# KiCad board mackerel-10-v1.kicad_pcb
title: Mackerel-10 v1; date: 2024-11-09; rev: 1.2; company: Colin Maykish
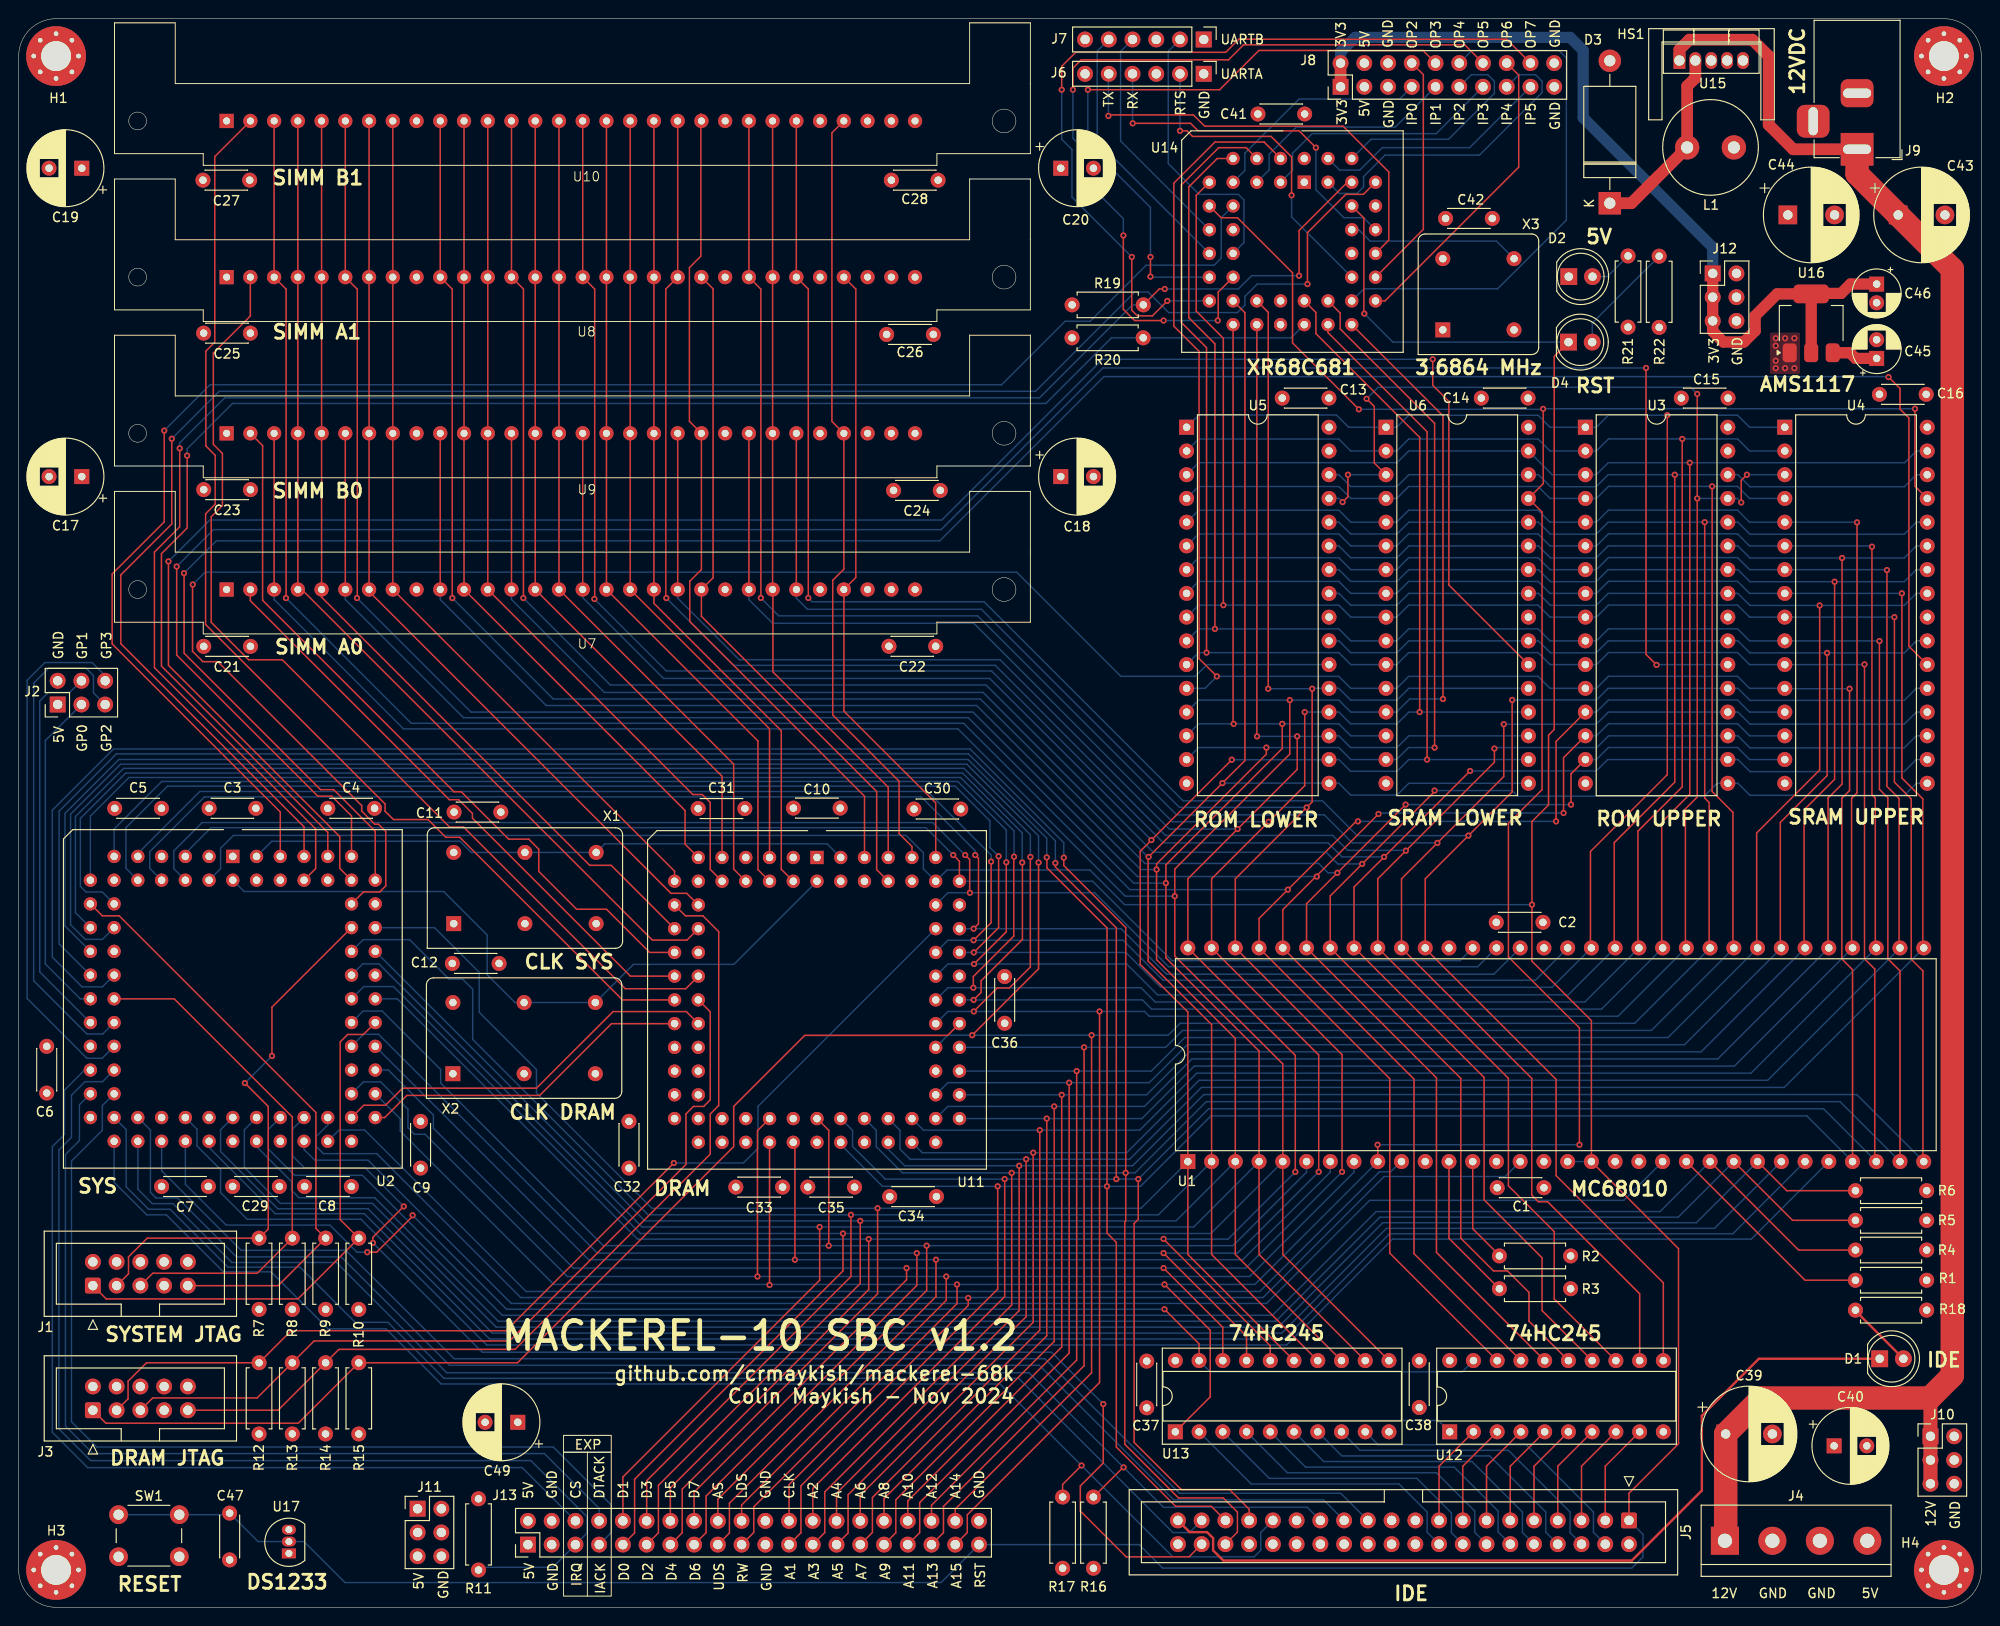
[diagram p0: board, top side]
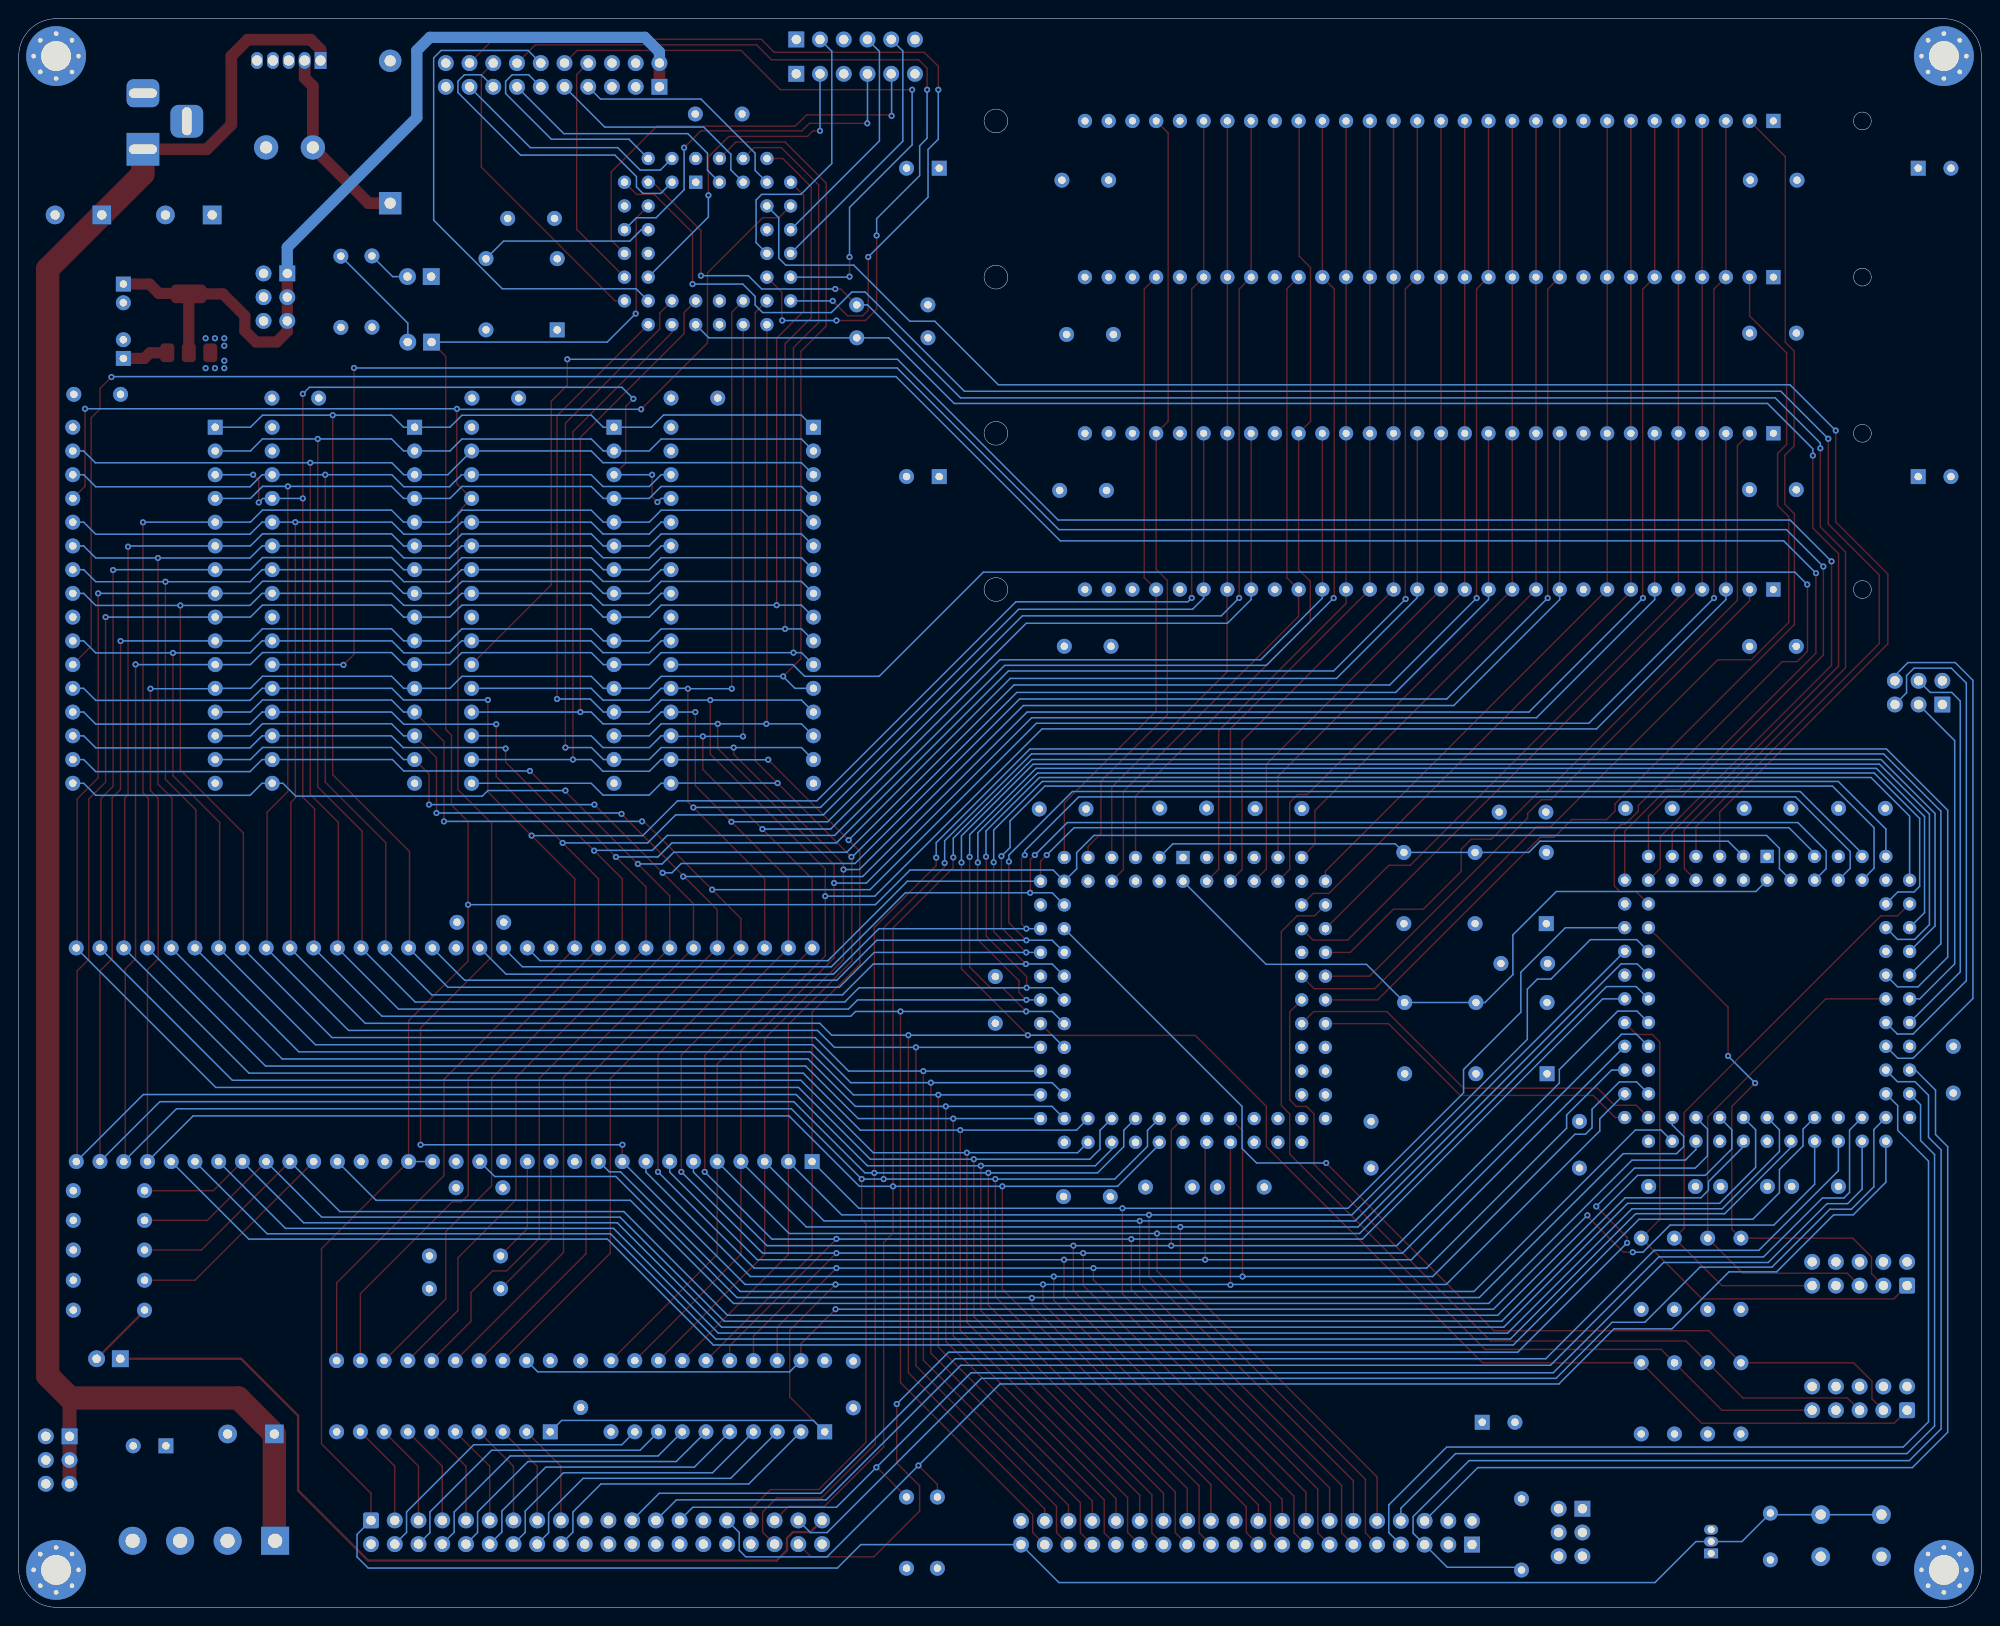
[diagram p1: board, bottom side, seen from below]

Outline 210 x 170 mm; copper layers: Top, In1.Cu, In2.Cu, Bottom. Coordinates in mm from the lower left corner of the outline.
Outline path: 0,166 arc(1.17,168.83) 4,170 206,170 arc(208.83,168.83) 210,166 210,4 arc(208.83,1.17) 206,0 4,0 arc(1.17,1.17) 0,4 0,166
Stack: Top 0.035mm / dielectric 0.1mm FR4 er 4.5 / In1.Cu 0.035mm / dielectric 1.24mm FR4 er 4.5 / In2.Cu 0.035mm / dielectric 0.1mm FR4 er 4.5 / Bottom 0.035mm

## Placement (name value [footprint] x y rotation side)
C1  0.1uF  [C_Disc_D4.3mm_W1.9mm_P5.00mm]  158.2 44.9 0 top
C2  0.1uF  [C_Disc_D4.3mm_W1.9mm_P5.00mm]  163.1 73.3 180 top
C3  0.1uF  [C_Disc_D4.3mm_W1.9mm_P5.00mm]  20.38 85.5 0 top
C4  0.1uF  [C_Disc_D4.3mm_W1.9mm_P5.00mm]  33.08 85.5 0 top
C5  0.1uF  [C_Disc_D4.3mm_W1.9mm_P5.00mm]  10.27 85.5 0 top
C6  0.1uF  [C_Disc_D4.3mm_W1.9mm_P5.00mm]  3 60.03 270 top
C7  0.1uF  [C_Disc_D4.3mm_W1.9mm_P5.00mm]  20.29 45.03 180 top
C8  0.1uF  [C_Disc_D4.3mm_W1.9mm_P5.00mm]  30.59 45.03 0 top
C9  0.1uF  [C_Disc_D4.3mm_W1.9mm_P5.00mm]  43 52 270 top
C10  0.1uF  [C_Disc_D4.3mm_W1.9mm_P5.00mm]  87.9 85.53 180 top
C11  0.1uF  [C_Disc_D4.3mm_W1.9mm_P5.00mm]  51.59 85.1 180 top
C12  0.1uF  [C_Disc_D4.3mm_W1.9mm_P5.00mm]  51.4 68.9 180 top
C13  0.1uF  [C_Disc_D4.3mm_W1.9mm_P5.00mm]  140.2 129.4 180 top
C14  0.1uF  [C_Disc_D4.3mm_W1.9mm_P5.00mm]  161.5 129.4 180 top
C15  0.1uF  [C_Disc_D4.3mm_W1.9mm_P5.00mm]  182.9 129.4 180 top
C16  0.1uF  [C_Disc_D4.3mm_W1.9mm_P5.00mm]  204.1 129.8 180 top
C17  470uF  [CP_Radial_D8.0mm_P3.50mm]  6.75 121 180 top
C18  470uF  [CP_Radial_D8.0mm_P3.50mm]  111.5 121 0 top
C19  470uF  [CP_Radial_D8.0mm_P3.50mm]  6.75 154 180 top
C20  470uF  [CP_Radial_D8.0mm_P3.50mm]  111.5 154 0 top
C21  0.1uF  [C_Disc_D4.3mm_W1.9mm_P5.00mm]  24.8 102.83 180 top
C22  0.1uF  [C_Disc_D4.3mm_W1.9mm_P5.00mm]  98.12 102.84 180 top
C23  0.1uF  [C_Disc_D4.3mm_W1.9mm_P5.00mm]  24.8 119.6 180 top
C24  0.1uF  [C_Disc_D4.3mm_W1.9mm_P5.00mm]  98.61 119.52 180 top
C25  0.1uF  [C_Disc_D4.3mm_W1.9mm_P5.00mm]  24.79 136.35 180 top
C26  0.1uF  [C_Disc_D4.3mm_W1.9mm_P5.00mm]  92.87 136.21 0 top
C27  0.1uF  [C_Disc_D4.3mm_W1.9mm_P5.00mm]  24.72 152.72 180 top
C28  0.1uF  [C_Disc_D4.3mm_W1.9mm_P5.00mm]  93.38 152.72 0 top
C29  0.1uF  [C_Disc_D4.3mm_W1.9mm_P5.00mm]  22.89 45.03 0 top
C30  0.1uF  [C_Disc_D4.3mm_W1.9mm_P5.00mm]  95.8 85.42 0 top
C31  0.1uF  [C_Disc_D4.3mm_W1.9mm_P5.00mm]  72.7 85.47 0 top
C32  0.1uF  [C_Disc_D4.3mm_W1.9mm_P5.00mm]  65.3 52 270 top
C33  0.1uF  [C_Disc_D4.3mm_W1.9mm_P5.00mm]  81.73 44.97 180 top
C34  0.1uF  [C_Disc_D4.3mm_W1.9mm_P5.00mm]  93.2 43.95 0 top
C35  0.1uF  [C_Disc_D4.3mm_W1.9mm_P5.00mm]  89.43 44.97 180 top
C36  0.1uF  [C_Disc_D4.3mm_W1.9mm_P5.00mm]  105.5 62.5 90 top
C37  0.1uF  [C_Disc_D4.3mm_W1.9mm_P5.00mm]  120.7 26.34 270 top
C38  0.1uF  [C_Disc_D4.3mm_W1.9mm_P5.00mm]  149.86 26.38 270 top
C39  1000uF  [CP_Radial_D10.0mm_P5.00mm]  182.65 18.55 0 top
C40  470uF  [CP_Radial_D8.0mm_P3.50mm]  194.25 17.28 0 top
C41  0.1uF  [C_Disc_D4.3mm_W1.9mm_P5.00mm]  137.6 159.8 180 top
C42  0.1uF  [C_Disc_D4.3mm_W1.9mm_P5.00mm]  152.68 148.62 0 top
C43  1000uF  [CP_Radial_D10.0mm_P5.00mm]  201.11 149 0 top
C44  1000uF  [CP_Radial_D10.0mm_P5.00mm]  189.3 149 0 top
C45  10uF  [CP_Radial_D5.0mm_P2.00mm]  198.8 133.64 90 top
C46  10uF  [CP_Radial_D5.0mm_P2.00mm]  198.8 141.6 270 top
C47  0.01uF  [C_Disc_D4.3mm_W1.9mm_P5.00mm]  22.57 10.08 270 top
C49  470uF  [CP_Radial_D8.0mm_P3.50mm]  53.4 19.8 180 top
D1  LED  [LED_D5.0mm]  199.12 26.6 0 top
D2  LED  [LED_D5.0mm]  165.86 142.4 0 top
D3  1N5822  [D_DO-27_P15.24mm_Horizontal]  170.25 150.25 90 top
D4  LED  [LED_D5.0mm]  165.83 135.39 0 top
H1  MountingHole_Pad  [MountingHole_3.2mm_M3_Pad_Via]  4 166 0 top
H2  MountingHole_Pad  [MountingHole_3.2mm_M3_Pad_Via]  206 166 0 top
H3  MountingHole_Pad  [MountingHole_3.2mm_M3_Pad_Via]  4 4 0 top
H4  MountingHole_Pad  [MountingHole_3.2mm_M3_Pad_Via]  206 4 0 top
HS1  Heatsink  [Heatsink_Stonecold_HS-S02_13.21x9.53mm]  181.12 168.82 0 top
J1  Conn_02x05_Odd_Even  [IDC-Header_2x05_P2.54mm_Vertical]  7.94 34.43 90 top
J2  Conn_02x03_Odd_Even  [PinHeader_2x03_P2.54mm_Vertical]  4.17 96.61 90 top
J3  Conn_02x05_Odd_Even  [IDC-Header_2x05_P2.54mm_Vertical]  7.94 21.09 90 top
J4  Screw_Terminal_01x04  [TerminalBlock_bornier-4_P5.08mm]  182.56 7.12 0 top
J5  Conn_02x20_Odd_Even  [IDC-Header_2x20_P2.54mm_Vertical]  172.3 9.3 270 top
J6  Conn_01x06  [PinHeader_1x06_P2.54mm_Vertical]  126.8 164.1 270 top
J7  Conn_01x06  [PinHeader_1x06_P2.54mm_Vertical]  126.8 167.78 270 top
J8  Conn_02x10_Odd_Even  [PinHeader_2x10_P2.54mm_Vertical]  141.44 162.71 90 top
J9  Barrel_Jack_MountingPin  [BarrelJack_Horizontal]  196.71 156.03 270 top
J10  Conn_02x03_Odd_Even  [PinHeader_2x03_P2.54mm_Vertical]  204.56 18.3 0 top
J11  Conn_02x03_Odd_Even  [PinHeader_2x03_P2.54mm_Vertical]  42.69 10.55 0 top
J12  Conn_02x03_Odd_Even  [PinHeader_2x03_P2.54mm_Vertical]  181.26 142.74 0 top
J13  Conn_02x20_Odd_Even  [PinHeader_2x20_P2.54mm_Vertical]  54.49 6.71 90 top
L1  100uH  [L_Radial_D10.0mm_P5.00mm_Fastron_07M]  178.53 156.22 0 top
R1  4k7  [R_Axial_DIN0207_L6.3mm_D2.5mm_P7.62mm_Horizontal]  204.16 35 180 top
R2  4k7  [R_Axial_DIN0207_L6.3mm_D2.5mm_P7.62mm_Horizontal]  166.06 37.6 180 top
R3  4k7  [R_Axial_DIN0207_L6.3mm_D2.5mm_P7.62mm_Horizontal]  166.06 34.09 180 top
R4  4k7  [R_Axial_DIN0207_L6.3mm_D2.5mm_P7.62mm_Horizontal]  204.16 38.24 180 top
R5  4k7  [R_Axial_DIN0207_L6.3mm_D2.5mm_P7.62mm_Horizontal]  204.16 41.41 180 top
R6  4k7  [R_Axial_DIN0207_L6.3mm_D2.5mm_P7.62mm_Horizontal]  204.16 44.59 180 top
R7  4k7  [R_Axial_DIN0207_L6.3mm_D2.5mm_P7.62mm_Horizontal]  25.72 31.88 90 top
R8  4k7  [R_Axial_DIN0207_L6.3mm_D2.5mm_P7.62mm_Horizontal]  29.28 31.88 90 top
R9  4k7  [R_Axial_DIN0207_L6.3mm_D2.5mm_P7.62mm_Horizontal]  32.85 31.88 90 top
R10  4k7  [R_Axial_DIN0207_L6.3mm_D2.5mm_P7.62mm_Horizontal]  36.39 39.5 270 top
R11  4k7  [R_Axial_DIN0207_L6.3mm_D2.5mm_P7.62mm_Horizontal]  49.2 3.99 90 top
R12  4k7  [R_Axial_DIN0207_L6.3mm_D2.5mm_P7.62mm_Horizontal]  25.72 18.55 90 top
R13  4k7  [R_Axial_DIN0207_L6.3mm_D2.5mm_P7.62mm_Horizontal]  29.28 18.55 90 top
R14  4k7  [R_Axial_DIN0207_L6.3mm_D2.5mm_P7.62mm_Horizontal]  32.83 18.55 90 top
R15  4k7  [R_Axial_DIN0207_L6.3mm_D2.5mm_P7.62mm_Horizontal]  36.39 26.17 270 top
R16  4k7  [R_Axial_DIN0207_L6.3mm_D2.5mm_P7.62mm_Horizontal]  115 4.18 90 top
R17  4k7  [R_Axial_DIN0207_L6.3mm_D2.5mm_P7.62mm_Horizontal]  111.7 4.18 90 top
R18  1k  [R_Axial_DIN0207_L6.3mm_D2.5mm_P7.62mm_Horizontal]  204.16 31.8 180 top
R19  4k7  [R_Axial_DIN0207_L6.3mm_D2.5mm_P7.62mm_Horizontal]  120.34 139.38 180 top
R20  4k7  [R_Axial_DIN0207_L6.3mm_D2.5mm_P7.62mm_Horizontal]  120.32 135.85 180 top
R21  1k  [R_Axial_DIN0207_L6.3mm_D2.5mm_P7.62mm_Horizontal]  172.2 136.99 90 top
R22  1k  [R_Axial_DIN0207_L6.3mm_D2.5mm_P7.62mm_Horizontal]  175.53 136.96 90 top
SW1  SW_Push  [SW_PUSH_6mm_H5mm]  10.69 9.91 0 top
U1  68010D  [DIP-64_W22.86mm]  125.1 47.7 90 top
U2  ~  [PLCC-84_THT-Socket]  22.91 80.35 0 top
U3  SST39SF040  [DIP-32_W15.24mm]  167.64 126.28 0 top
U4  AS6C4008-55PCN  [DIP-32_W15.24mm]  188.97 126.28 0 top
U5  SST39SF040  [DIP-32_W15.24mm]  124.97 126.28 0 top
U6  AS6C4008-55PCN  [DIP-32_W15.24mm]  146.3 126.28 0 top
U7  ~  [SIMM-30]  22.25 108.92 180 top
U8  ~  [SIMM-30]  22.25 142.34 180 top
U9  ~  [SIMM-30]  22.25 125.63 180 top
U10  ~  [SIMM-30]  22.25 159.06 180 top
U11  ~  [PLCC-84_THT-Socket]  85.42 80.24 0 top
U12  74HC245  [DIP-20_W7.62mm_Socket]  153.12 18.78 90 top
U13  74HC245  [DIP-20_W7.62mm_Socket]  123.76 18.78 90 top
U14  XR68C681  [PLCC-44_THT-Socket]  137.56 152.5 0 top
U15  LM2576T-5  [TO-220-5_Vertical]  177.7 165.53 0 top
U16  AMS1117-3.3  [SOT-223-3_TabPin2]  191.8 137.4 90 top
U17  DS1233  [TO-92L_Inline]  28.91 5.77 90 top
X1  50MHz  [Oscillator_DIP-14]  46.55 73.16 0 top
X2  50MHz  [Oscillator_DIP-14]  46.46 57.1 0 top
X3  3.6864MHz  [Oscillator_DIP-8]  152.38 136.7 0 top

## Library data of the parts
C1-C16 C21-C38 C41 C42 C47 = -: Description: Unpolarized capacitor; ki_fp_filters: C_*
C17-C20 C40 C45 C46 C49 = -: Description: Polarized capacitor, US symbol; ki_fp_filters: CP_*
C39 C43 C44 = -: Description: Polarized capacitor; ki_fp_filters: CP_*
D1 D2 D4 = -: Description: Light emitting diode; ki_fp_filters: LED* LED_SMD:* LED_THT:*
D3 = -: Description: Schottky diode; ki_fp_filters: TO-???* *_Diode_* *SingleDiode* D_*
H1-H4 = -: Description: Mounting Hole with connection; ki_fp_filters: MountingHole*Pad*
HS1 = -: ki_fp_filters: Heatsink_*
J1 J3 = -: Description: Generic connector, double row, 02x05, odd/even pin numbering scheme (row 1 odd numbers, row 2 even numbers), script generated (kicad-library-utils/schlib/autogen/connector/); ki_fp_filters: Connector*:*_2x??_*
J2 J10-J12 = -: Description: Generic connector, double row, 02x03, odd/even pin numbering scheme (row 1 odd numbers, row 2 even numbers), script generated (kicad-library-utils/schlib/autogen/connector/); ki_fp_filters: Connector*:*_2x??_*
J4 = -: Description: Generic screw terminal, single row, 01x04, script generated (kicad-library-utils/schlib/autogen/connector/); ki_fp_filters: TerminalBlock*:*
J5 J13 = -: Description: Generic connector, double row, 02x20, odd/even pin numbering scheme (row 1 odd numbers, row 2 even numbers), script generated (kicad-library-utils/schlib/autogen/connector/); ki_fp_filters: Connector*:*_2x??_*
J6 J7 = -: Description: Generic connector, single row, 01x06, script generated (kicad-library-utils/schlib/autogen/connector/); ki_fp_filters: Connector*:*_1x??_*
J8 = -: Description: Generic connector, double row, 02x10, odd/even pin numbering scheme (row 1 odd numbers, row 2 even numbers), script generated (kicad-library-utils/schlib/autogen/connector/); ki_fp_filters: Connector*:*_2x??_*
J9 = -: Description: DC Barrel Jack with a mounting pin; ki_fp_filters: BarrelJack*
L1 = -: Description: Inductor; ki_fp_filters: Choke_* *Coil* Inductor_* L_*
R1-R22 = -: Description: Resistor; ki_fp_filters: R_*
SW1 = -: Description: Push button switch, generic, two pins
U1 = -: Datasheet: https://www.nxp.com/docs/en/reference-manual/MC68000UM.pdf; Description: 16/32-bit Microprocessor
U3 U5 = -: Datasheet: http://ww1.microchip.com/downloads/en/DeviceDoc/25022B.pdf; Description: Silicon Storage Technology (SSF) 512k x 8 Flash ROM
U4 U6 = -: Datasheet: https://www.alliancememory.com/wp-content/uploads/pdf/AS6C4008.pdf; Description: 512K x 8 Low Power CMOS RAM, DIP-32; ki_fp_filters: DIP*W15.24mm*
U12 U13 = -: Datasheet: http://www.ti.com/lit/gpn/sn74HC245; Description: Octal BUS Transceivers, 3-State outputs; ki_fp_filters: DIP?20*
U15 = -: Datasheet: http://www.ti.com/lit/ds/symlink/lm2576.pdf; Description: 5V, 3A SIMPLE SWITCHER® Step-Down Voltage Regulator, TO-220-5; ki_fp_filters: TO?220*
U16 = -: Datasheet: http://www.advanced-monolithic.com/pdf/ds1117.pdf; Description: 1A Low Dropout regulator, positive, 3.3V fixed output, SOT-223; ki_fp_filters: SOT?223*TabPin2*
X1 X2 = -: Datasheet: http://cdn-reichelt.de/documents/datenblatt/B400/OSZI.pdf; Description: Crystal Clock Oscillator, DIP14-style metal package; ki_fp_filters: Oscillator*DIP*14*
X3 = -: Datasheet: http://cdn-reichelt.de/documents/datenblatt/B400/OSZI.pdf; Description: Crystal Clock Oscillator, DIP8-style metal package; ki_fp_filters: Oscillator*DIP*8*

## Footprints (pads in the part's own frame, mm; a bottom-side part is the same pattern mirrored in y, then rotated)
BarrelJack_Horizontal
  rect 3.5x3.5 hole 1x3: 1(0,0)
  rrect 3x3.5 hole 1x3: 2(-6,0)
  rrect 3.5x3.5 hole 3x1: 3(-3,-4.7)
C_Disc_D4.3mm_W1.9mm_P5.00mm
  round 1.6 hole 0.8: 1(0,0) 2(5,0)
CP_Radial_D5.0mm_P2.00mm
  rect 1.6x1.6 hole 0.8: 1(0,0)
  round 1.6 hole 0.8: 2(2,0)
CP_Radial_D8.0mm_P3.50mm
  rect 1.6x1.6 hole 0.8: 1(0,0)
  round 1.6 hole 0.8: 2(3.5,0)
CP_Radial_D10.0mm_P5.00mm
  rect 2x2 hole 1: 1(0,0)
  round 2 hole 1: 2(5,0)
D_DO-27_P15.24mm_Horizontal
  rect 2.4x2.4 hole 1.2: 1(0,0)
  oval 2.4x2.4 hole 1.2: 2(15.24,0)
DIP-20_W7.62mm_Socket
  rect 1.6x1.6 hole 0.8: 1(0,0)
  oval 1.6x1.6 hole 0.8: 2(0,-2.54) 3(0,-5.08) 4(0,-7.62) 5(0,-10.16) 6(0,-12.7) 7(0,-15.24) 8(0,-17.78) 9(0,-20.32) 10(0,-22.86) 11(7.62,-22.86) 12(7.62,-20.32) 13(7.62,-17.78) 14(7.62,-15.24) 15(7.62,-12.7) 16(7.62,-10.16) 17(7.62,-7.62) 18(7.62,-5.08) 19(7.62,-2.54) 20(7.62,0)
DIP-32_W15.24mm
  rect 1.6x1.6 hole 0.8: 1(0,0)
  oval 1.6x1.6 hole 0.8: 2(0,-2.54) 3(0,-5.08) 4(0,-7.62) 5(0,-10.16) 6(0,-12.7) 7(0,-15.24) 8(0,-17.78) 9(0,-20.32) 10(0,-22.86) 11(0,-25.4) 12(0,-27.94) 13(0,-30.48) 14(0,-33.02) 15(0,-35.56) 16(0,-38.1) 17(15.24,-38.1) 18(15.24,-35.56) 19(15.24,-33.02) 20(15.24,-30.48) 21(15.24,-27.94) 22(15.24,-25.4) 23(15.24,-22.86) 24(15.24,-20.32) 25(15.24,-17.78) 26(15.24,-15.24) 27(15.24,-12.7) 28(15.24,-10.16) 29(15.24,-7.62) 30(15.24,-5.08) 31(15.24,-2.54) 32(15.24,0)
DIP-64_W22.86mm
  rect 1.6x1.6 hole 0.8: 1(0,0)
  oval 1.6x1.6 hole 0.8: 2(0,-2.54) 3(0,-5.08) 4(0,-7.62) 5(0,-10.16) 6(0,-12.7) 7(0,-15.24) 8(0,-17.78) 9(0,-20.32) 10(0,-22.86) 11(0,-25.4) 12(0,-27.94) 13(0,-30.48) 14(0,-33.02) 15(0,-35.56) 16(0,-38.1) 17(0,-40.64) 18(0,-43.18) 19(0,-45.72) 20(0,-48.26) 21(0,-50.8) 22(0,-53.34) 23(0,-55.88) 24(0,-58.42) 25(0,-60.96) 26(0,-63.5) 27(0,-66.04) 28(0,-68.58) 29(0,-71.12) 30(0,-73.66) 31(0,-76.2) 32(0,-78.74) 33(22.86,-78.74) 34(22.86,-76.2) 35(22.86,-73.66) 36(22.86,-71.12) 37(22.86,-68.58) 38(22.86,-66.04) 39(22.86,-63.5) 40(22.86,-60.96) 41(22.86,-58.42) 42(22.86,-55.88) 43(22.86,-53.34) 44(22.86,-50.8) 45(22.86,-48.26) 46(22.86,-45.72) 47(22.86,-43.18) 48(22.86,-40.64) 49(22.86,-38.1) 50(22.86,-35.56) 51(22.86,-33.02) 52(22.86,-30.48) 53(22.86,-27.94) 54(22.86,-25.4) 55(22.86,-22.86) 56(22.86,-20.32) 57(22.86,-17.78) 58(22.86,-15.24) 59(22.86,-12.7) 60(22.86,-10.16) 61(22.86,-7.62) 62(22.86,-5.08) 63(22.86,-2.54) 64(22.86,0)
IDC-Header_2x05_P2.54mm_Vertical
  rrect 1.7x1.7 hole 1: 1(0,0)
  round 1.7 hole 1: 2(2.54,0) 3(0,-2.54) 4(2.54,-2.54) 5(0,-5.08) 6(2.54,-5.08) 7(0,-7.62) 8(2.54,-7.62) 9(0,-10.16) 10(2.54,-10.16)
IDC-Header_2x20_P2.54mm_Vertical
  rrect 1.7x1.7 hole 1: 1(0,0)
  round 1.7 hole 1: 2(2.54,0) 3(0,-2.54) 4(2.54,-2.54) 5(0,-5.08) 6(2.54,-5.08) 7(0,-7.62) 8(2.54,-7.62) 9(0,-10.16) 10(2.54,-10.16) 11(0,-12.7) 12(2.54,-12.7) 13(0,-15.24) 14(2.54,-15.24) 15(0,-17.78) 16(2.54,-17.78) 17(0,-20.32) 18(2.54,-20.32) 19(0,-22.86) 20(2.54,-22.86) 21(0,-25.4) 22(2.54,-25.4) 23(0,-27.94) 24(2.54,-27.94) 25(0,-30.48) 26(2.54,-30.48) 27(0,-33.02) 28(2.54,-33.02) 29(0,-35.56) 30(2.54,-35.56) 31(0,-38.1) 32(2.54,-38.1) 33(0,-40.64) 34(2.54,-40.64) 35(0,-43.18) 36(2.54,-43.18) 37(0,-45.72) 38(2.54,-45.72) 39(0,-48.26) 40(2.54,-48.26)
L_Radial_D10.0mm_P5.00mm_Fastron_07M
  round 2.6 hole 1.3: 1(0,0) 2(5,0)
LED_D5.0mm
  rect 1.8x1.8 hole 0.9: 1(0,0)
  round 1.8 hole 0.9: 2(2.54,0)
MountingHole_3.2mm_M3_Pad_Via
  round 0.8 hole 0.5: 1(-2.4,0) 1(-1.697,1.697) 1(-1.697,-1.697) 1(0,2.4) 1(0,-2.4) 1(1.697,1.697) 1(1.697,-1.697) 1(2.4,0)
  round 6.4 hole 3.2: 1(0,0)
Oscillator_DIP-8
  rect 1.6x1.6 hole 0.8: 1(0,0)
  round 1.6 hole 0.8: 4(7.62,0) 5(7.62,7.62) 8(0,7.62)
Oscillator_DIP-14
  rect 1.6x1.6 hole 0.8: 1(0,0)
  round 1.6 hole 0.8: 7(7.62,0) 7(15.24,0) 8(7.62,7.62) 8(15.24,7.62) 14(0,7.62)
PinHeader_1x06_P2.54mm_Vertical
  rect 1.7x1.7 hole 1: 1(0,0)
  oval 1.7x1.7 hole 1: 2(0,-2.54) 3(0,-5.08) 4(0,-7.62) 5(0,-10.16) 6(0,-12.7)
PinHeader_2x03_P2.54mm_Vertical
  rect 1.7x1.7 hole 1: 1(0,0)
  oval 1.7x1.7 hole 1: 2(2.54,0) 3(0,-2.54) 4(2.54,-2.54) 5(0,-5.08) 6(2.54,-5.08)
PinHeader_2x10_P2.54mm_Vertical
  rect 1.7x1.7 hole 1: 1(0,0)
  oval 1.7x1.7 hole 1: 2(2.54,0) 3(0,-2.54) 4(2.54,-2.54) 5(0,-5.08) 6(2.54,-5.08) 7(0,-7.62) 8(2.54,-7.62) 9(0,-10.16) 10(2.54,-10.16) 11(0,-12.7) 12(2.54,-12.7) 13(0,-15.24) 14(2.54,-15.24) 15(0,-17.78) 16(2.54,-17.78) 17(0,-20.32) 18(2.54,-20.32) 19(0,-22.86) 20(2.54,-22.86)
PinHeader_2x20_P2.54mm_Vertical
  rect 1.7x1.7 hole 1: 1(0,0)
  oval 1.7x1.7 hole 1: 2(2.54,0) 3(0,-2.54) 4(2.54,-2.54) 5(0,-5.08) 6(2.54,-5.08) 7(0,-7.62) 8(2.54,-7.62) 9(0,-10.16) 10(2.54,-10.16) 11(0,-12.7) 12(2.54,-12.7) 13(0,-15.24) 14(2.54,-15.24) 15(0,-17.78) 16(2.54,-17.78) 17(0,-20.32) 18(2.54,-20.32) 19(0,-22.86) 20(2.54,-22.86) 21(0,-25.4) 22(2.54,-25.4) 23(0,-27.94) 24(2.54,-27.94) 25(0,-30.48) 26(2.54,-30.48) 27(0,-33.02) 28(2.54,-33.02) 29(0,-35.56) 30(2.54,-35.56) 31(0,-38.1) 32(2.54,-38.1) 33(0,-40.64) 34(2.54,-40.64) 35(0,-43.18) 36(2.54,-43.18) 37(0,-45.72) 38(2.54,-45.72) 39(0,-48.26) 40(2.54,-48.26)
PLCC-44_THT-Socket
  rect 1.422x1.422 hole 0.8: 1(0,0)
  round 1.422 hole 0.8: 2(-2.54,2.54) 3(-2.54,0) 4(-5.08,2.54) 5(-5.08,0) 6(-7.62,2.54) 7(-10.16,0) 8(-7.62,0) 9(-10.16,-2.54) 10(-7.62,-2.54) 11(-10.16,-5.08) 12(-7.62,-5.08) 13(-10.16,-7.62) 14(-7.62,-7.62) 15(-10.16,-10.16) 16(-7.62,-10.16) 17(-10.16,-12.7) 18(-7.62,-15.24) 19(-7.62,-12.7) 20(-5.08,-15.24) 21(-5.08,-12.7) 22(-2.54,-15.24) 23(-2.54,-12.7) 24(0,-15.24) 25(0,-12.7) 26(2.54,-15.24) 27(2.54,-12.7) 28(5.08,-15.24) 29(7.62,-12.7) 30(5.08,-12.7) 31(7.62,-10.16) 32(5.08,-10.16) 33(7.62,-7.62) 34(5.08,-7.62) 35(7.62,-5.08) 36(5.08,-5.08) 37(7.62,-2.54) 38(5.08,-2.54) 39(7.62,0) 40(5.08,2.54) 41(5.08,0) 42(2.54,2.54) 43(2.54,0) 44(0,2.54)
PLCC-84_THT-Socket
  rect 1.422x1.422 hole 0.8: 1(0,0)
  round 1.422 hole 0.8: 2(0,-2.54) 3(-2.54,0) 4(-2.54,-2.54) 5(-5.08,0) 6(-5.08,-2.54) 7(-7.62,0) 8(-7.62,-2.54) 9(-10.16,0) 10(-10.16,-2.54) 11(-12.7,0) 12(-15.24,-2.54) 13(-12.7,-2.54) 14(-15.24,-5.08) 15(-12.7,-5.08) 16(-15.24,-7.62) 17(-12.7,-7.62) 18(-15.24,-10.16) 19(-12.7,-10.16) 20(-15.24,-12.7) 21(-12.7,-12.7) 22(-15.24,-15.24) 23(-12.7,-15.24) 24(-15.24,-17.78) 25(-12.7,-17.78) 26(-15.24,-20.32) 27(-12.7,-20.32) 28(-15.24,-22.86) 29(-12.7,-22.86) 30(-15.24,-25.4) 31(-12.7,-25.4) 32(-15.24,-27.94) 33(-12.7,-30.48) 34(-12.7,-27.94) 35(-10.16,-30.48) 36(-10.16,-27.94) 37(-7.62,-30.48) 38(-7.62,-27.94) 39(-5.08,-30.48) 40(-5.08,-27.94) 41(-2.54,-30.48) 42(-2.54,-27.94) 43(0,-30.48) 44(0,-27.94) 45(2.54,-30.48) 46(2.54,-27.94) 47(5.08,-30.48) 48(5.08,-27.94) 49(7.62,-30.48) 50(7.62,-27.94) 51(10.16,-30.48) 52(10.16,-27.94) 53(12.7,-30.48) 54(15.24,-27.94) 55(12.7,-27.94) 56(15.24,-25.4) 57(12.7,-25.4) 58(15.24,-22.86) 59(12.7,-22.86) 60(15.24,-20.32) 61(12.7,-20.32) 62(15.24,-17.78) 63(12.7,-17.78) 64(15.24,-15.24) 65(12.7,-15.24) 66(15.24,-12.7) 67(12.7,-12.7) 68(15.24,-10.16) 69(12.7,-10.16) 70(15.24,-7.62) 71(12.7,-7.62) 72(15.24,-5.08) 73(12.7,-5.08) 74(15.24,-2.54) 75(12.7,0) 76(12.7,-2.54) 77(10.16,0) 78(10.16,-2.54) 79(7.62,0) 80(7.62,-2.54) 81(5.08,0) 82(5.08,-2.54) 83(2.54,0) 84(2.54,-2.54)
R_Axial_DIN0207_L6.3mm_D2.5mm_P7.62mm_Horizontal
  round 1.6 hole 0.8: 1(0,0)
  oval 1.6x1.6 hole 0.8: 2(7.62,0)
SIMM-30
  rect 1.524x1.524 hole 0.762: 1(0,0)
  round 1.524 hole 0.762: 2(-2.54,0) 3(-5.08,0) 4(-7.62,0) 5(-10.16,0) 6(-12.7,0) 7(-15.24,0) 8(-17.78,0) 9(-20.32,0) 10(-22.86,0) 11(-25.4,0) 12(-27.94,0) 13(-30.48,0) 14(-33.02,0) 15(-35.56,0) 16(-38.1,0) 17(-40.64,0) 18(-43.18,0) 19(-45.72,0) 20(-48.26,0) 21(-50.8,0) 22(-53.34,0) 23(-55.88,0) 24(-58.42,0) 25(-60.96,0) 26(-63.5,0) 27(-66.04,0) 28(-68.58,0) 29(-71.12,0) 30(-73.66,0)